# Altium PCB MatrixC8.PcbDoc (part 1 of 3)
Units mm, origin at the board's own origin, x right, y up, seen from the top; angles counter-clockwise.
Board outline 200 x 200.9 mm, 2 copper layers (Top Layer, Bottom Layer); 299 components, 193 nets, 849 pads, 393 vias.
Unrouted connection lines stored in the file: 1.
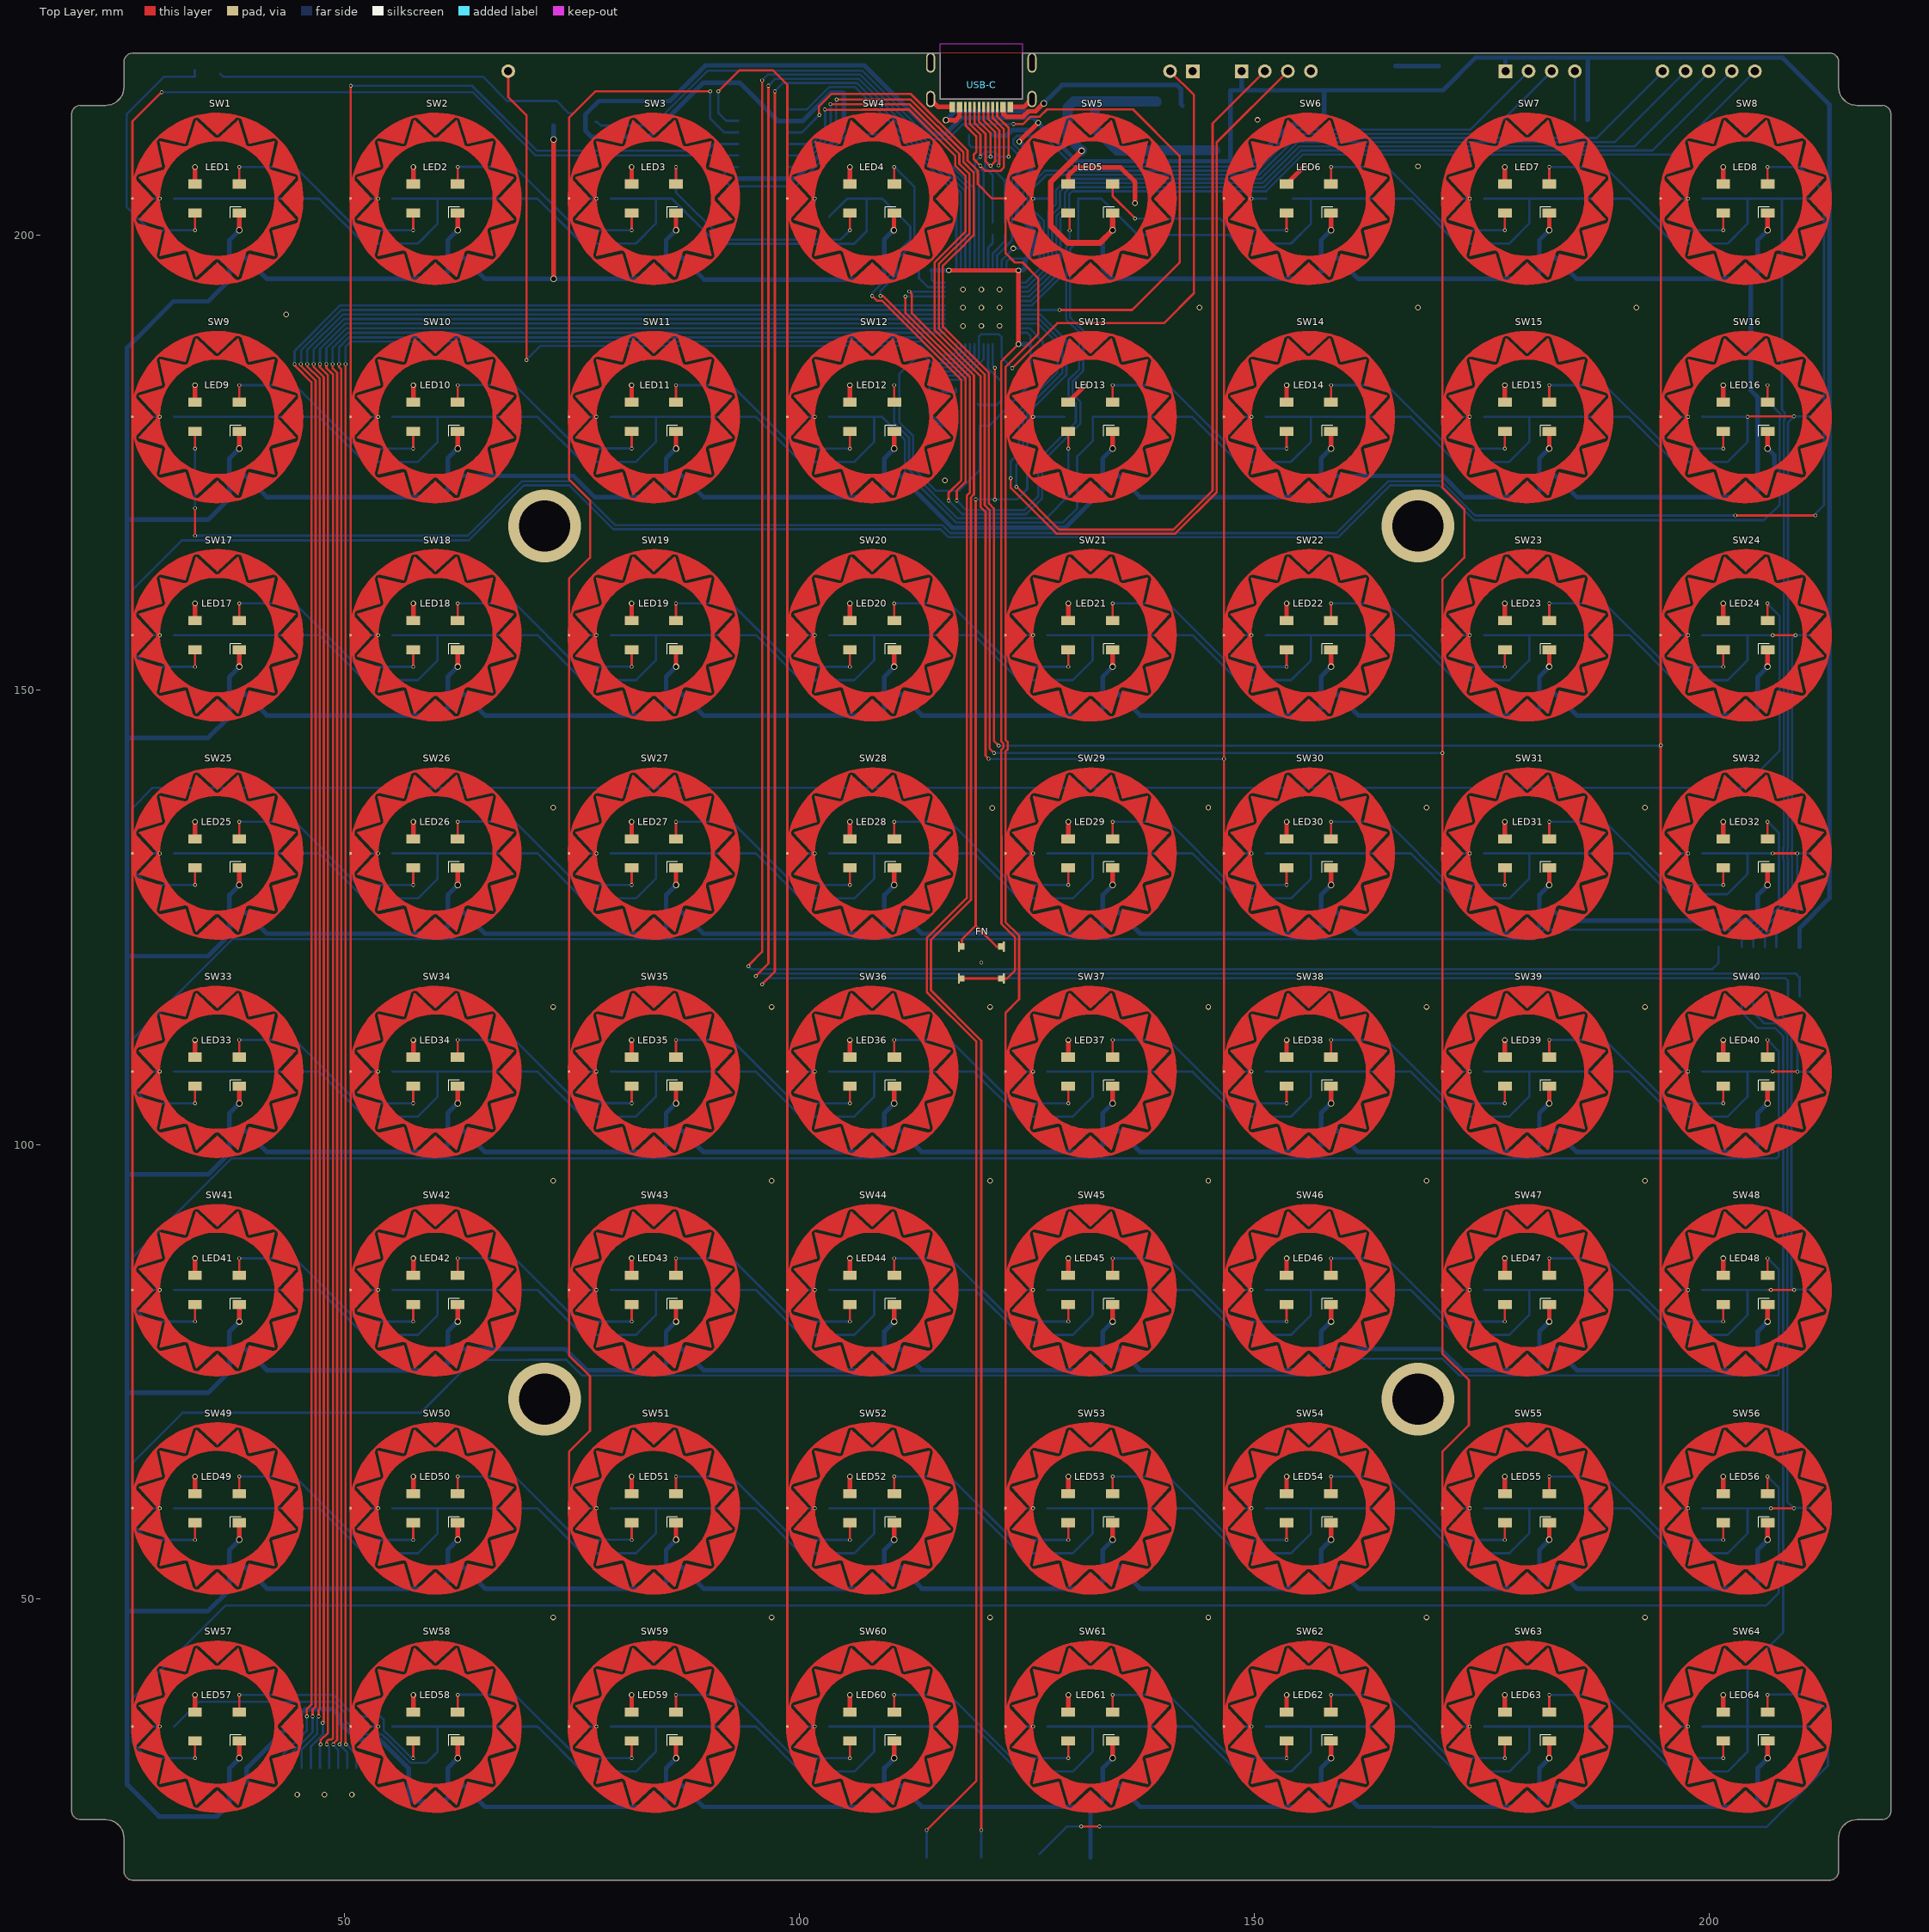
[diagram p0: Top Layer view]
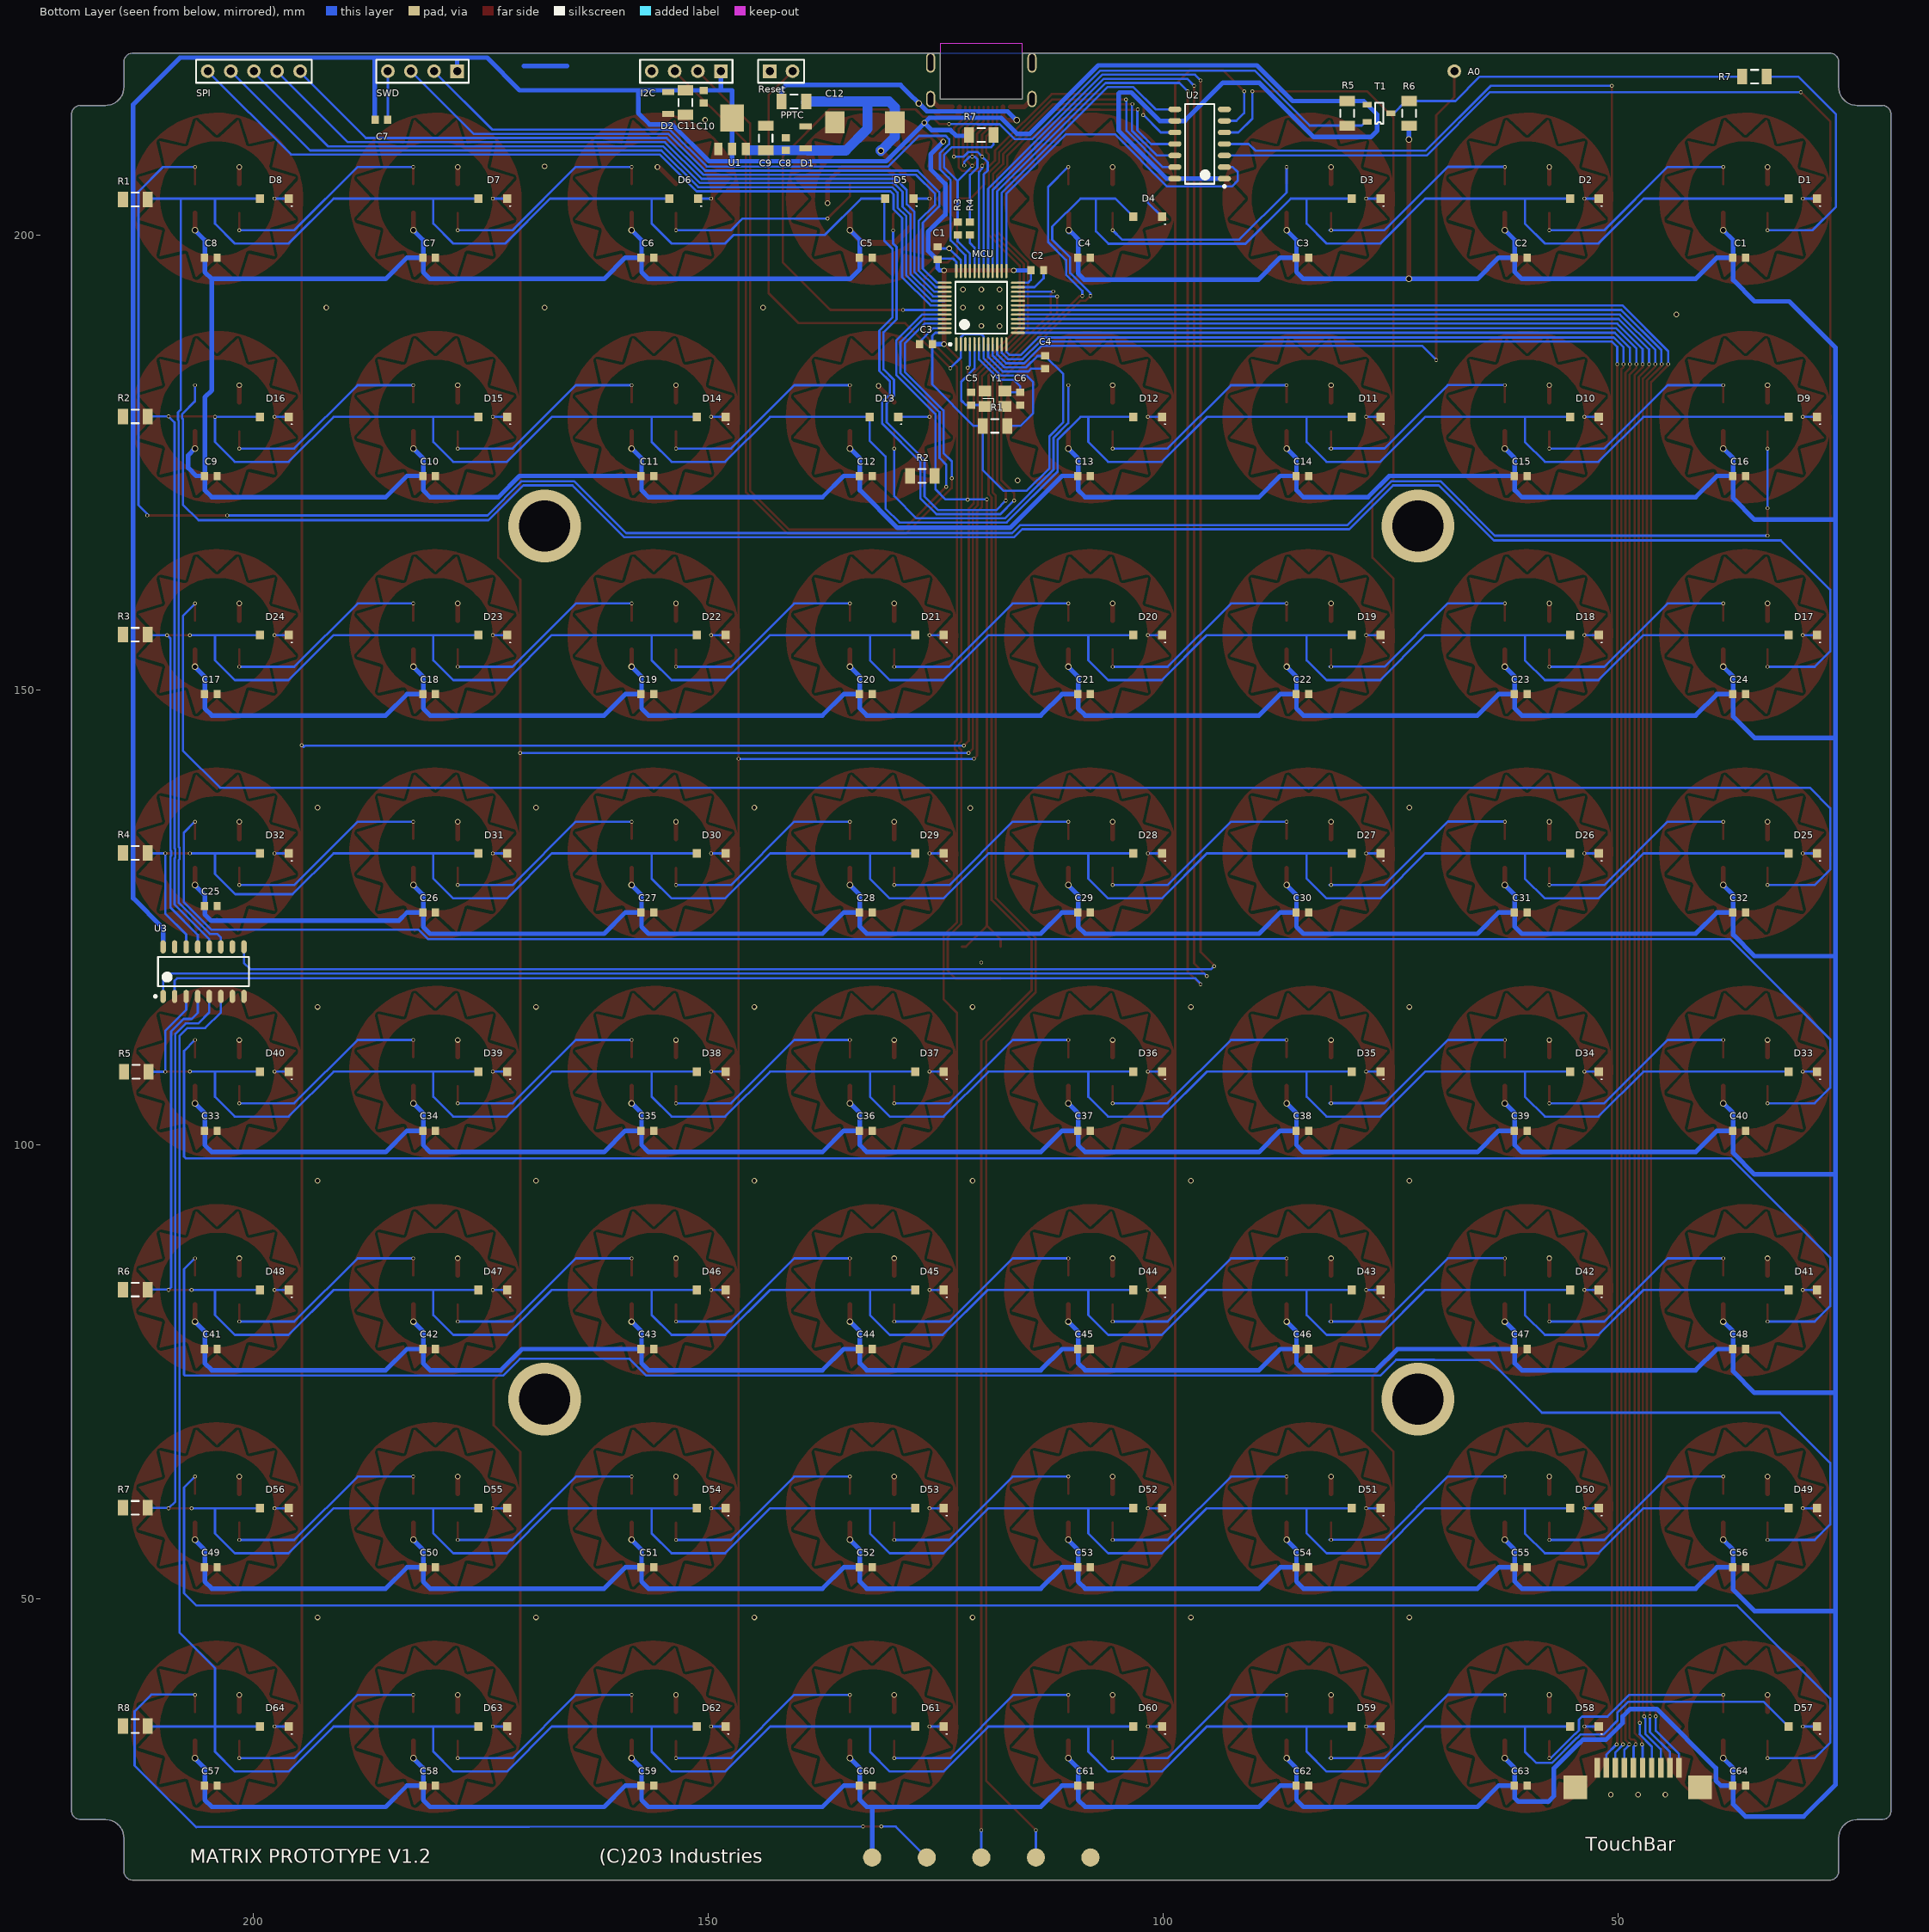
[diagram p1: Bottom Layer view, seen from below]

## Layer stack, top to bottom
Top Solder: solder mask 0.0102, Solder Resist, Dk 3.5
Top Layer: signal copper 0.0356
Dielectric 1: dielectric 0.32, FR-4, Dk 4.8
Bottom Layer: signal copper 0.0356
Bottom Solder: solder mask 0.0102, Solder Resist, Dk 3.5

## Board outline
23.75,25.75 23.946,25.74 24.331,25.664 24.693,25.514 25.019,25.296 25.296,25.019 25.514,24.693 25.664,24.331 25.74,23.946 25.75,23.75 25.75,20.002 25.788,19.808 25.864,19.626 25.973,19.463 26.113,19.323 26.276,19.214 26.458,19.138 26.652,19.1 26.75,19.1 213.348,19.1 213.542,19.138 213.724,19.214 213.887,19.323 214.027,19.463 214.136,19.626 214.212,19.808 214.25,20.002 214.25,23.75 214.26,23.946 214.336,24.331 214.486,24.693 214.704,25.019 214.981,25.296 215.307,25.514 215.669,25.664 216.054,25.74 216.25,25.75 219,25.75 219.098,25.75 219.292,25.788 219.474,25.864 219.637,25.973 219.777,26.113 219.886,26.276 219.962,26.458 220,26.652 220,213.348 219.962,213.542 219.886,213.724 219.777,213.887 219.637,214.027 219.474,214.136 219.292,214.212 219.098,214.25 216.25,214.25 216.054,214.26 215.669,214.336 215.307,214.486 214.981,214.704 214.704,214.981 214.486,215.307 214.336,215.669 214.26,216.054 214.25,216.25 214.25,219.098 214.212,219.292 214.136,219.474 214.027,219.637 213.887,219.777 213.724,219.886 213.542,219.962 213.348,220 124.5,220 124.5,214.95 115.5,214.95 115.5,220 26.652,220 26.458,219.962 26.276,219.886 26.113,219.777 25.973,219.637 25.864,219.474 25.788,219.292 25.75,219.098 25.75,216.25 25.74,216.054 25.664,215.669 25.514,215.307 25.296,214.981 25.019,214.704 24.693,214.486 24.331,214.336 23.946,214.26 23.75,214.25 20.902,214.25 20.708,214.212 20.526,214.136 20.363,214.027 20.223,213.887 20.114,213.724 20.038,213.542 20,213.348 20,213.25 20,26.652 20.038,26.458 20.114,26.276 20.223,26.113 20.363,25.973 20.526,25.864 20.708,25.788 20.902,25.75

## Design rules (kind name [scope] priority, off if disabled: settings)
Clearance [All] p1: gap=0.2 ignorepadtopadclearanceinfootprint=FALSE except(0: Arc-Hole Track-Hole SMDPad-Hole THPad-Hole Via-Hole Fill-Hole Poly-Hole Region-Hole Text-Hole)
ComponentClearance [All] p1 off: gap=0.254 collisioncheckmode=3 verticalgap=0.254 showdistances=FALSE
HoleSize [All] p1 off: absolutevalues=TRUE maxlimit=2.54 minlimit=0.025 maxpercent=80.000 minpercent=20.000
PolygonConnect [All] p1: connectstyle=Relief reliefconductorwidth=0.254 reliefentries=4 polygonreliefangle="90 Angle" airgapwidth=0.254
RoutingVias [All] p1: holewidth=0.711 width=1.27 viastyle="Through Hole" minholewidth=0.711 minwidth=1.27 maxholewidth=0.711 maxwidth=1.27
ShortCircuit ShortCircuit_1 [All] p1: allowed=FALSE
ShortCircuit [InPadClass('All Pads') vs InNet('No Net')] p2: allowed=TRUE
SolderMaskExpansion [All] p1: expansion=0.102
Width [All] p1: maxlimit=2.54 minlimit=0.025 preferedwidth=0.254
27 further rules are at their usual default settings.

## Classes and differential pairs
component class matrixkeypad: D1 D2 D3 D4 D5 D6 D7 D8 D9 D10 D11 D12 D14 D15 D16 D17 D18 D19 D20 D21 D22 D23 D24 D25 D26 D27 D28 D29 D30 D31 D32 D33 D34 D35 D36 D37 D38 D39 D40 D41 D42 D43 D44 D45 D46 D47 D48 D49 D50 D51 D52 D53 D54 D55 D56 D57 D58 D59 D60 D61 D62 D63 D64 R1 R2 R3 R4 R6 R7 R8 U2 U3
component class led: c2 C4 C5 C9 C10 C11 C12 C13 C14 C15 C16 C17 C18 C19 C20 C21 C22 C23 C24 C25 C26 C27 C28 C29 C30 C31 C32 C33 C34 C35 C36 C37 C38 C39 C40 C41 C42 C43 C44 C45 C46 C47 C48 C49 C50 C51 C52 C53 C54 C55 C56 C57 C58 C59 C60 C61 C62 C63 C64 LED1 LED2 LED3 LED4 LED5 LED6 LED7 LED8 LED9 LED10 LED11 LED12 LED13 LED14 LED15 LED16 LED17 LED18 LED19 LED20 LED21 LED22 LED23 LED24 LED25 LED26 LED27 LED28 LED29 LED30 LED31 LED32 LED33 LED34 LED35 LED36 LED37 LED38 LED39 LED40 LED41 LED42 LED43 LED44 LED45 LED46 LED47 LED48 LED49 LED50 LED51 LED52 LED53 LED54 LED55 LED56 LED57 LED58 LED59 LED60 LED61 LED62 LED63 LED64 R7 U3
component class MCU: c2 C4 C9 C11 "FN Switch" MCU R1 R2 R3 R4 SWD U3 Y1

## Components (designator, comment, footprint, x,y, rotation, side; value= is the part's Value field where it differs from the comment)
C1 "System" 1608[0603] 124.8,198 r270 bottom value=0.1uf
C1 "Cap Semi" 1608[0603] 36.7,197.5 r0 bottom value=0.1uf
C2 "System" 1608[0603] 113.85,196.1 r0 bottom value=0.1uf
C2 "Cap Semi" 1608[0603] 60.7,197.5 r0 bottom value=0.1uf
C3 "System" 1608[0603] 126.074,188 r180 bottom value=0.1uf
C3 "Cap Semi" 1608[0603] 84.7,197.5 r0 bottom value=0.1uf
C4 "System" 1608[0603] 113,186 r90 bottom value=0.1uf
C4 "Cap Semi" 1608[0603] 108.7,197.5 r0 bottom value=0.1uf
C5 "System" 1608[0603] 121.1,182 r270 bottom value=20pF,0603
C5 "Cap Semi" 1608[0603] 132.7,197.5 r0 bottom value=0.1uf
C6 "System" 1608[0603] 115.737,182 r90 bottom value=20pF,0603
C6 "Cap Semi" 1608[0603] 156.7,197.5 r0 bottom value=0.1uf
C7 "System" 1608[0603] 185.94,212.648 r180 bottom value=0.1uf
C7 "Cap Semi" 1608[0603] 180.7,197.5 r0 bottom value=0.1uf
C8 "System" 1608[0603] 141.5,210 r270 bottom value=10uf
C8 "Cap Semi" 1608[0603] 204.7,197.5 r0 bottom value=0.1uf
C9 "System" C1206 143.7,210.65 r270 bottom value=0.1uf
C9 "Cap Semi" 1608[0603] 204.7,173.5 r0 bottom value=0.1uf
C10 "System" 1608[0603] 150.517,215.2 r90 bottom value=0.1uf
C10 "Cap Semi" 1608[0603] 180.7,173.5 r0 bottom value=0.1uf
C11 "System" C1206 152.517,214.56 r90 bottom value=10uf
C11 "Cap Semi" 1608[0603] 156.7,173.5 r0 bottom value=0.1uf
C12 "Comment" 7343H 132.8,212.4 r0 bottom
C12 "Cap Semi" 1608[0603] 132.7,173.5 r0 bottom value=0.1uf
C13 "Cap Semi" 1608[0603] 108.7,173.5 r0 bottom value=0.1uf
C14 "Cap Semi" 1608[0603] 84.7,173.5 r0 bottom value=0.1uf
C15 "Cap Semi" 1608[0603] 60.7,173.5 r0 bottom value=0.1uf
C16 "Cap Semi" 1608[0603] 36.7,173.5 r0 bottom value=0.1uf
C17 "Cap Semi" 1608[0603] 204.7,149.5 r0 bottom value=0.1uf
C18 "Cap Semi" 1608[0603] 180.7,149.5 r0 bottom value=0.1uf
C19 "Cap Semi" 1608[0603] 156.7,149.5 r0 bottom value=0.1uf
C20 "Cap Semi" 1608[0603] 132.7,149.5 r0 bottom value=0.1uf
C21 "Cap Semi" 1608[0603] 108.7,149.5 r0 bottom value=0.1uf
C22 "Cap Semi" 1608[0603] 84.7,149.5 r0 bottom value=0.1uf
C23 "Cap Semi" 1608[0603] 60.7,149.5 r0 bottom value=0.1uf
C24 "Cap Semi" 1608[0603] 36.7,149.5 r0 bottom value=0.1uf
C25 "Cap Semi" 1608[0603] 204.7,126.2 r0 bottom value=0.1uf
C26 "Cap Semi" 1608[0603] 180.7,125.5 r0 bottom value=0.1uf
C27 "Cap Semi" 1608[0603] 156.7,125.5 r0 bottom value=0.1uf
C28 "Cap Semi" 1608[0603] 132.7,125.5 r0 bottom value=0.1uf
C29 "Cap Semi" 1608[0603] 108.7,125.5 r0 bottom value=0.1uf
C30 "Cap Semi" 1608[0603] 84.7,125.5 r0 bottom value=0.1uf
C31 "Cap Semi" 1608[0603] 60.7,125.5 r0 bottom value=0.1uf
C32 "Cap Semi" 1608[0603] 36.7,125.5 r0 bottom value=0.1uf
C33 "Cap Semi" 1608[0603] 204.7,101.5 r0 bottom value=0.1uf
C34 "Cap Semi" 1608[0603] 180.7,101.5 r0 bottom value=0.1uf
C35 "Cap Semi" 1608[0603] 156.7,101.5 r0 bottom value=0.1uf
C36 "Cap Semi" 1608[0603] 132.7,101.5 r0 bottom value=0.1uf
C37 "Cap Semi" 1608[0603] 108.7,101.5 r0 bottom value=0.1uf
C38 "Cap Semi" 1608[0603] 84.7,101.5 r0 bottom value=0.1uf
C39 "Cap Semi" 1608[0603] 60.7,101.5 r0 bottom value=0.1uf
C40 "Cap Semi" 1608[0603] 36.7,101.5 r0 bottom value=0.1uf
C41 "Cap Semi" 1608[0603] 204.7,77.5 r0 bottom value=0.1uf
C42 "Cap Semi" 1608[0603] 180.7,77.5 r0 bottom value=0.1uf
C43 "Cap Semi" 1608[0603] 156.7,77.5 r0 bottom value=0.1uf
C44 "Cap Semi" 1608[0603] 132.7,77.5 r0 bottom value=0.1uf
C45 "Cap Semi" 1608[0603] 108.7,77.5 r0 bottom value=0.1uf
C46 "Cap Semi" 1608[0603] 84.7,77.5 r0 bottom value=0.1uf
C47 "Cap Semi" 1608[0603] 60.7,77.5 r0 bottom value=0.1uf
C48 "Cap Semi" 1608[0603] 36.7,77.5 r0 bottom value=0.1uf
C49 "Cap Semi" 1608[0603] 204.7,53.5 r0 bottom value=0.1uf
C50 "Cap Semi" 1608[0603] 180.7,53.5 r0 bottom value=0.1uf
C51 "Cap Semi" 1608[0603] 156.7,53.5 r0 bottom value=0.1uf
C52 "Cap Semi" 1608[0603] 132.7,53.5 r0 bottom value=0.1uf
C53 "Cap Semi" 1608[0603] 108.7,53.5 r0 bottom value=0.1uf
C54 "Cap Semi" 1608[0603] 84.7,53.5 r0 bottom value=0.1uf
C55 "Cap Semi" 1608[0603] 60.7,53.5 r0 bottom value=0.1uf
C56 "Cap Semi" 1608[0603] 36.7,53.5 r0 bottom value=0.1uf
C57 "Cap Semi" 1608[0603] 204.7,29.5 r0 bottom value=0.1uf
C58 "Cap Semi" 1608[0603] 180.7,29.5 r0 bottom value=0.1uf
C59 "Cap Semi" 1608[0603] 156.7,29.5 r0 bottom value=0.1uf
C60 "Cap Semi" 1608[0603] 132.7,29.5 r0 bottom value=0.1uf
C61 "Cap Semi" 1608[0603] 108.7,29.5 r0 bottom value=0.1uf
C62 "Cap Semi" 1608[0603] 84.7,29.5 r0 bottom value=0.1uf
C63 "Cap Semi" 1608[0603] 60.7,29.5 r0 bottom value=0.1uf
C64 "Cap Semi" 1608[0603] 36.7,29.5 r0 bottom value=0.1uf
D1 "CESD5V0D3" SOD323 139.302,210.724 r270 bottom
D1 "1N4148" SOD123 29.7,204 r0 bottom
D2 "CESD3V3D3" SOD323 154.417,214.5 r90 bottom
D2 "1N4148" SOD123 53.7,204 r0 bottom
D3 "1N4148" SOD123 77.7,204 r0 bottom
D4 "1N4148" SOD123 101.7,202 r0 bottom
D5 "1N4148" SOD123 129,204 r0 bottom
D6 "1N4148" SOD123 152.7,204 r0 bottom
D7 "1N4148" SOD123 173.7,204 r0 bottom
D8 "1N4148" SOD123 197.7,204 r0 bottom
D9 "1N4148" SOD123 29.7,180 r0 bottom
D10 "1N4148" SOD123 53.7,180 r0 bottom
D11 "1N4148" SOD123 77.7,180 r0 bottom
D12 "1N4148" SOD123 101.7,180 r0 bottom
D13 "1N4148" SOD123 130.7,180 r0 bottom
D14 "1N4148" SOD123 149.7,180 r0 bottom
D15 "1N4148" SOD123 173.7,180 r0 bottom
D16 "1N4148" SOD123 197.7,180 r0 bottom
D17 "1N4148" SOD123 29.7,156 r0 bottom
D18 "1N4148" SOD123 53.7,156 r0 bottom
D19 "1N4148" SOD123 77.7,156 r0 bottom
D20 "1N4148" SOD123 101.7,156 r0 bottom
D21 "1N4148" SOD123 125.7,156 r0 bottom
D22 "1N4148" SOD123 149.7,156 r0 bottom
D23 "1N4148" SOD123 173.7,156 r0 bottom
D24 "1N4148" SOD123 197.7,156 r0 bottom
D25 "1N4148" SOD123 29.7,132 r0 bottom
D26 "1N4148" SOD123 53.7,132 r0 bottom